# Altium PCB Napelem_inverter_old.PcbDoc
Units mil, origin at the board's own origin, x right, y up, seen from the top; angles counter-clockwise.
Board outline 6000 x 4000 mil, 2 copper layers (Top Layer, Bottom Layer); 290 components, 158 nets, 877 pads, 64 vias.
Unrouted connection lines stored in the file: 562.
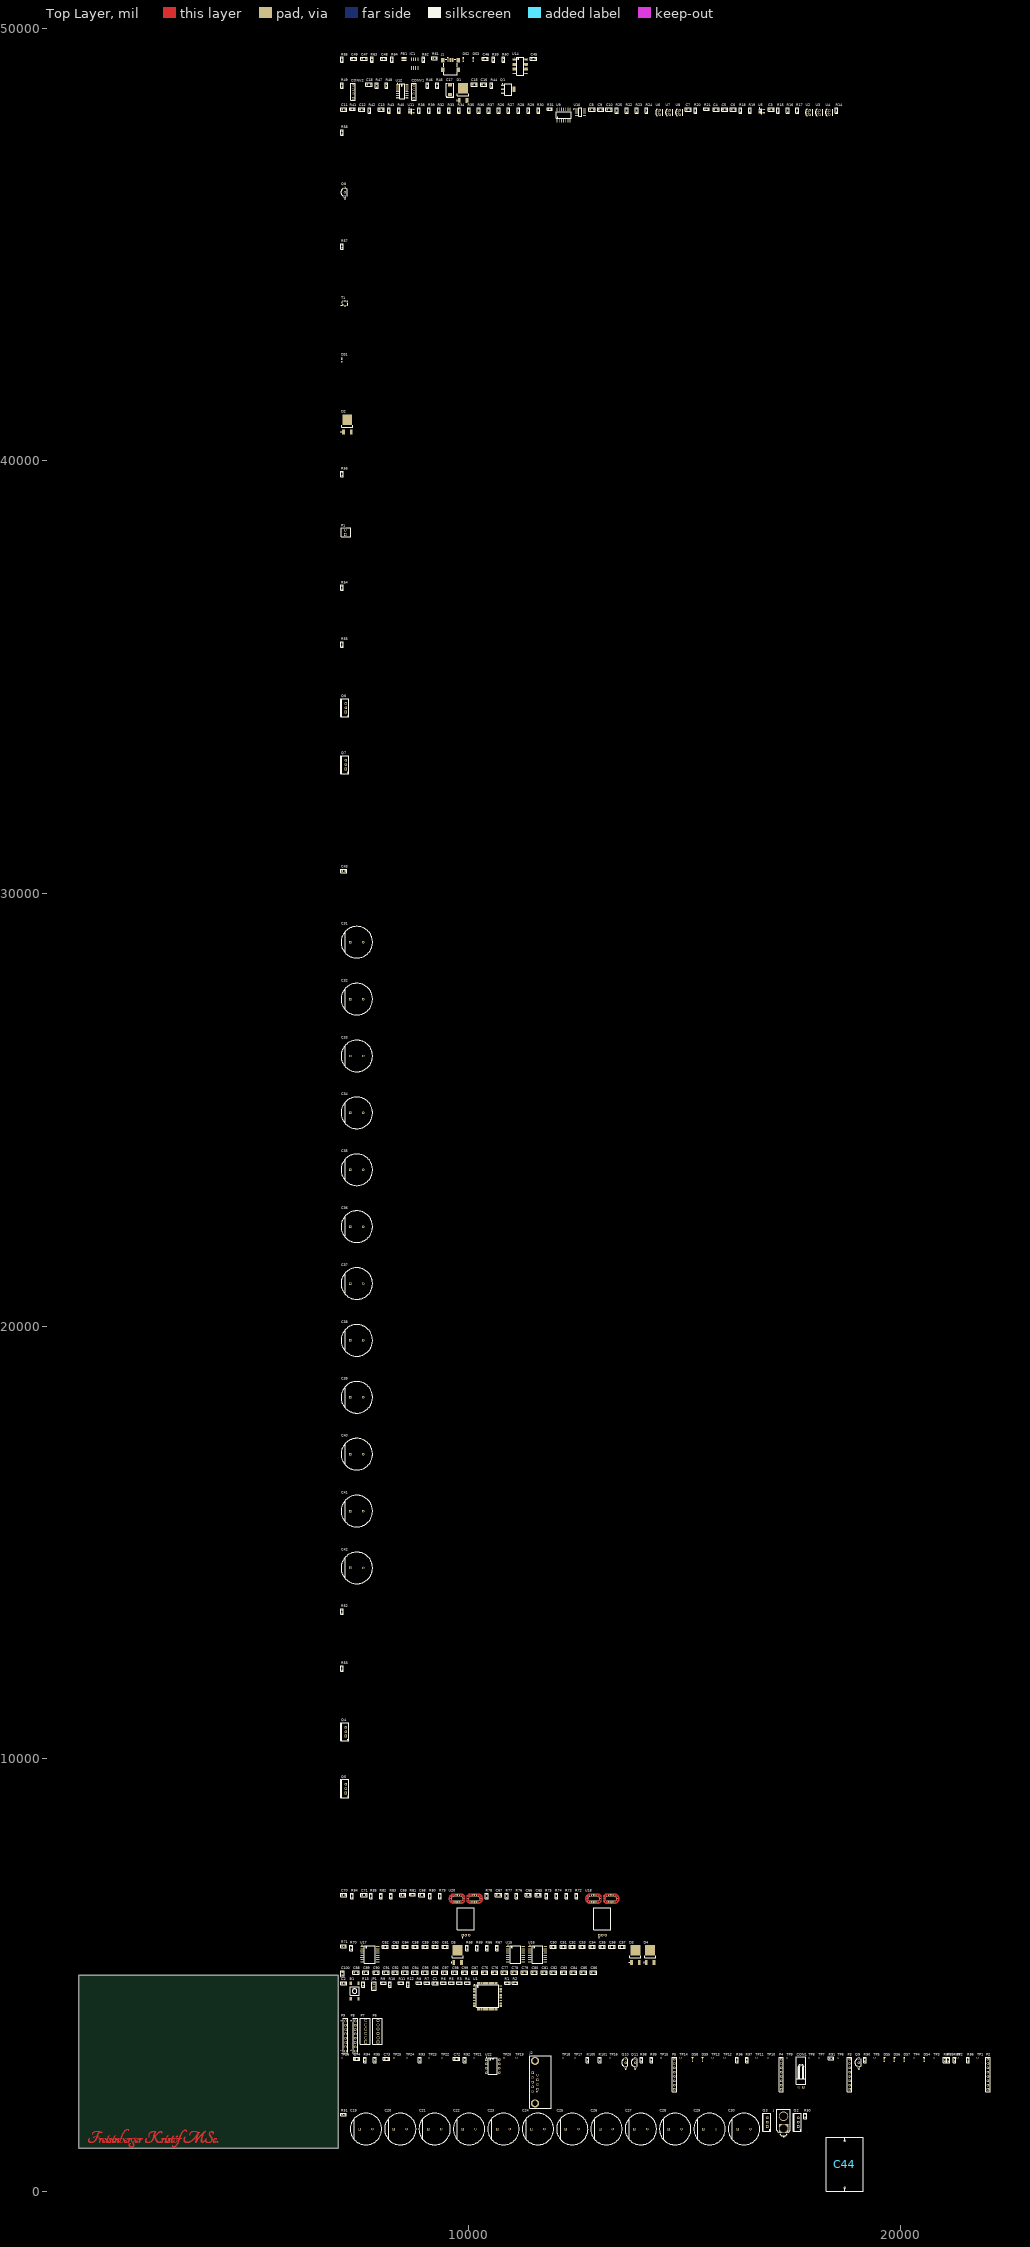
[diagram p0: Top Layer view]
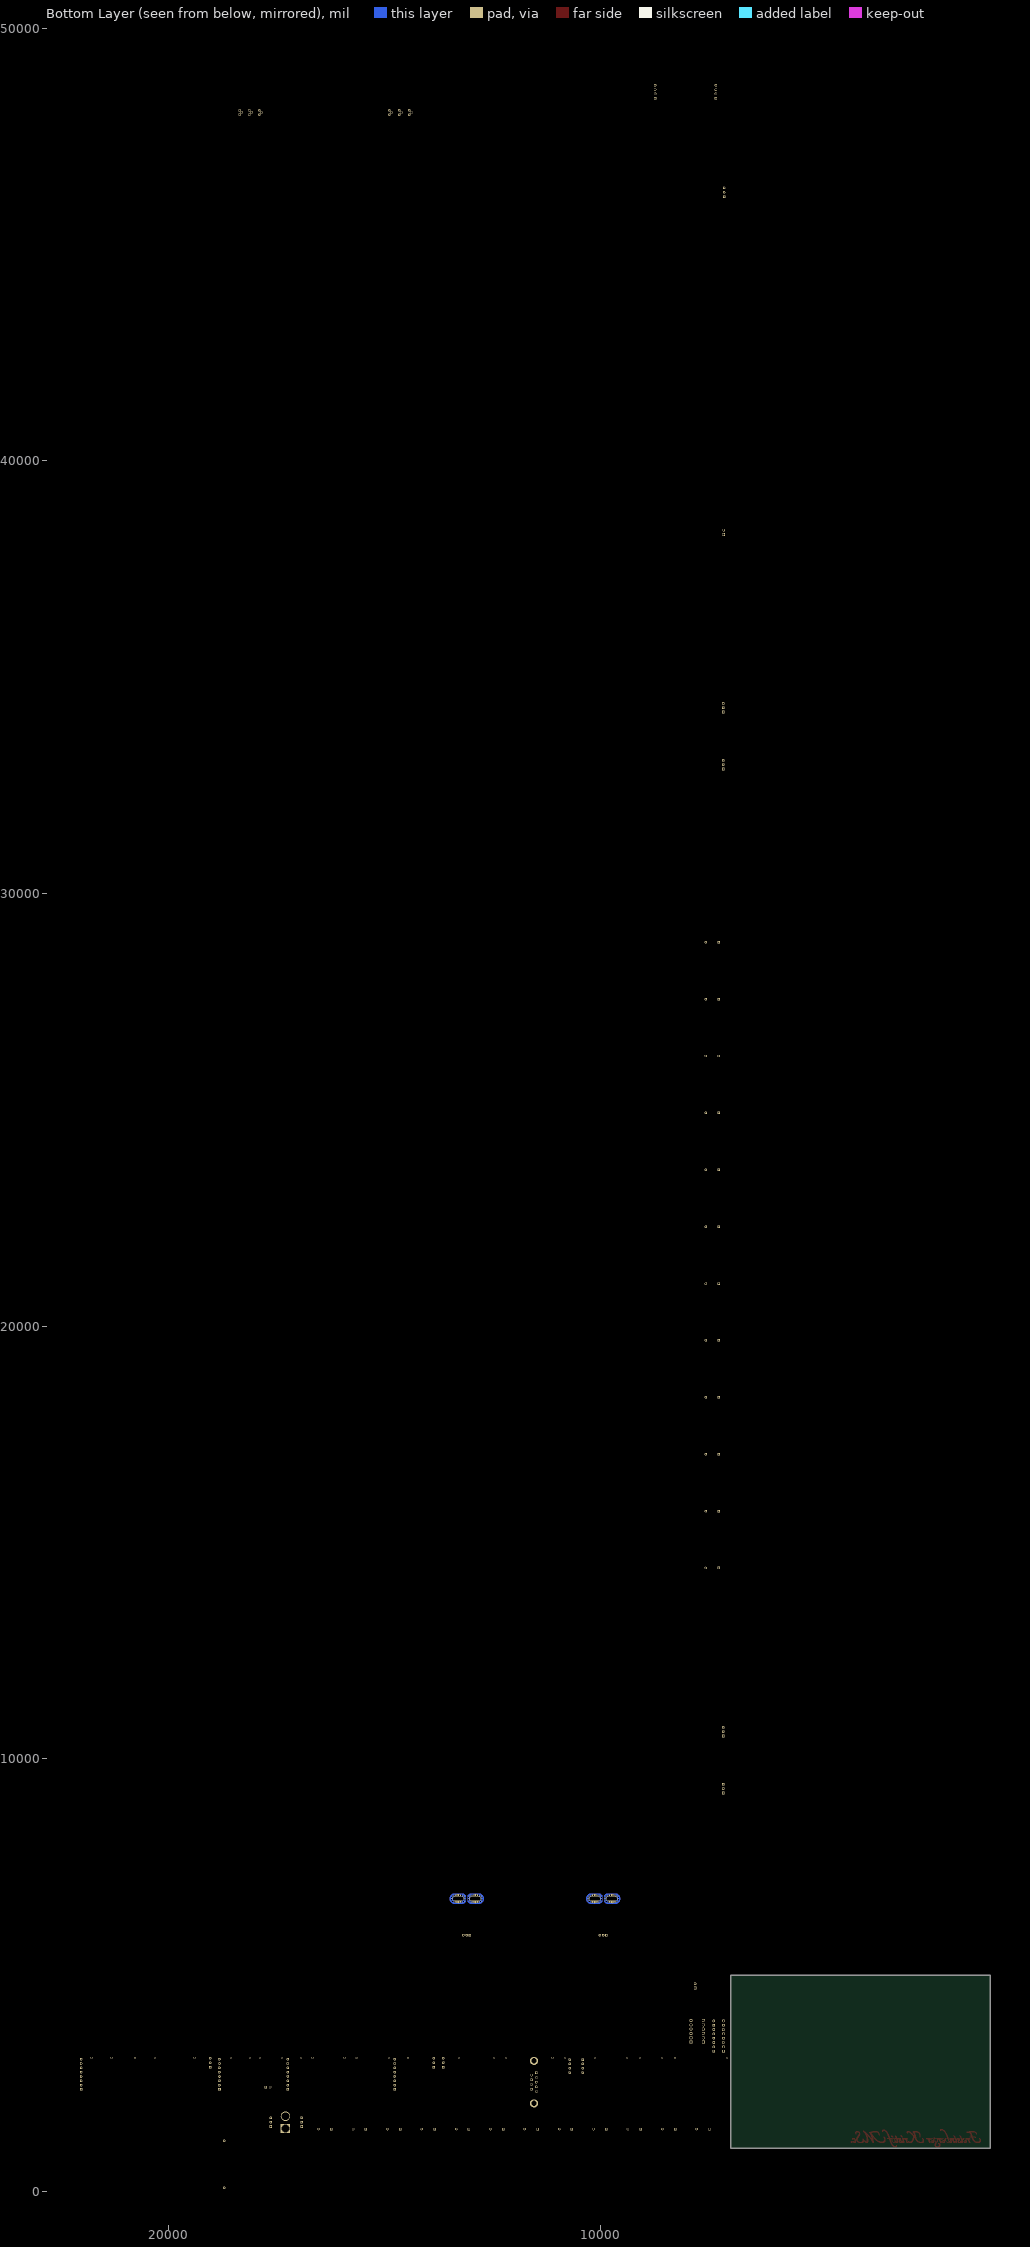
[diagram p1: Bottom Layer view, seen from below]

## Layer stack, top to bottom
Top Solder: solder mask 0.4, Solder Resist, Dk 3.5
Top Layer: signal copper 1.4
Dielectric 1: dielectric 12.6, FR-4, Dk 4.8
Bottom Layer: signal copper 1.4
Bottom Solder: solder mask 0.4, Solder Resist, Dk 3.5

## Board outline
1000,1000 7000,1000 7000,5000 1000,5000

## Design rules (kind name [scope] priority, off if disabled: settings)
Clearance [All] p1: gap=10 ignorepadtopadclearanceinfootprint=FALSE except(0: Arc-Hole Track-Hole SMDPad-Hole THPad-Hole Via-Hole Fill-Hole Poly-Hole Region-Hole Text-Hole)
PolygonConnect [All] p1: connectstyle=Relief reliefconductorwidth=10 reliefentries=4 polygonreliefangle="90 Angle" airgapwidth=10
RoutingVias [All] p1: holewidth=28 width=50 viastyle="Through Hole" minholewidth=28 minwidth=50 maxholewidth=28 maxwidth=50
SolderMaskExpansion [All] p1: expansion=4 istentingtop=FALSE
Width [All] p1: maxlimit=10 minlimit=10 preferedwidth=10
30 further rules are at their usual default settings.

## Components (designator, comment, footprint, x,y, rotation, side; value= is the part's Value field where it differs from the comment)
B1 "Button" FP_BTN_SMD 7375,4630 r0 top
C1 "100nF" FP_0805_CAP_085 9240,4810 r0 top
C2 "100nF" FP_0805_CAP_085 7125,4810 r0 top
C3 "2.2nF" FP_0805_CAP_085 17005,48125 r0 top
C4 "22uF" FP_0805_CAP_085 15730,48125 r0 top
C5 "22uF" FP_0805_CAP_085 15930,48125 r0 top
C6 "22uF" FP_0805_CAP_085 16130,48125 r0 top
C7 "2.2nF" FP_0805_CAP_085 15090,48125 r0 top
C8 "22uF" FP_0805_CAP_085 12860,48125 r0 top
C9 "22uF" FP_0805_CAP_085 13060,48125 r0 top
C10 "22uF" FP_0805_CAP_085 13255,48125 r0 top
C11 "2,2nF" FP_0805_CAP_085 7125,48125 r0 top
C12 "2,2nF" FP_0805_CAP_085 7540,48125 r0 top
C13 "2,2nF" FP_0805_CAP_085 7990,48125 r0 top
C15 "220nF" FP_0805_CAP_085 10140,48700 r0 top
C16 "220nF" FP_0805_CAP_085 10360,48700 r0 top
C17 "T491X107K020AT" KEMT-7343-43_L 9580,48580 r90 top
C18 "2.2nF" FP_0805_CAP_085 7705,48700 r0 top
C19 "330 uF" FP-LXW18X25-MFG 7635,1440 r0 top
C20 "330 uF" FP-LXW18X25-MFG 8430,1440 r0 top
C21 "330 uF" FP-LXW18X25-MFG 9225,1440 r0 top
C22 "330 uF" FP-LXW18X25-MFG 10020,1440 r0 top
C23 "330 uF" FP-LXW18X25-MFG 10815,1440 r0 top
C24 "330 uF" FP-LXW18X25-MFG 11610,1440 r0 top
C25 "330 uF" FP-LXW18X25-MFG 12405,1440 r0 top
C26 "330 uF" FP-LXW18X25-MFG 13195,1440 r0 top
C27 "330 uF" FP-LXW18X25-MFG 13990,1440 r0 top
C28 "330 uF" FP-LXW18X25-MFG 14785,1440 r0 top
C29 "330 uF" FP-LXW18X25-MFG 15580,1440 r0 top
C30 "330 uF" FP-LXW18X25-MFG 16375,1440 r0 top
C31 "330 uF" FP-LXW18X25-MFG 7425,28875 r0 top
C32 "330 uF" FP-LXW18X25-MFG 7425,27560 r0 top
C33 "330 uF" FP-LXW18X25-MFG 7425,26245 r0 top
C34 "330 uF" FP-LXW18X25-MFG 7425,24930 r0 top
C35 "330 uF" FP-LXW18X25-MFG 7425,23615 r0 top
C36 "330 uF" FP-LXW18X25-MFG 7425,22300 r0 top
C37 "330 uF" FP-LXW18X25-MFG 7425,20985 r0 top
C38 "330 uF" FP-LXW18X25-MFG 7425,19670 r0 top
C39 "330 uF" FP-LXW18X25-MFG 7425,18355 r0 top
C40 "330 uF" FP-LXW18X25-MFG 7425,17040 r0 top
C41 "330 uF" FP-LXW18X25-MFG 7425,15725 r0 top
C42 "330 uF" FP-LXW18X25-MFG 7425,14410 r0 top
C43 "220nF" FP_0805_CAP_085 7125,30520 r0 top
C44 "CAP_AC_68uF" Capacitor_AC_68_uF -101798.27,120585.77 r90 top
C45 "100nF" FP_0805_CAP_085 11510,49300 r0 top
C46 "100nF" FP_0805_CAP_085 10395,49300 r0 top
C47 "100nF" FP_0805_CAP_085 7590,49300 r0 top
C48 "100pF" FP_0805_CAP_085 8050,49300 r0 top
C49 "10nF" FP_0805_CAP_085 7355,49300 r0 top
C50 "100nF" FP_0805_CAP_085 11965,5655 r0 top
C51 "1uF" FP_0805_CAP_085 12195,5655 r0 top
C52 "100nF" FP_0805_CAP_085 12405,5655 r0 top
C53 "1uF" FP_0805_CAP_085 12635,5655 r0 top
C54 "100nF" FP_0805_CAP_085 12865,5655 r0 top
C55 "1uF" FP_0805_CAP_085 13095,5655 r0 top
C56 "100nF" FP_0805_CAP_085 13325,5655 r0 top
C57 "1uF" FP_0805_CAP_085 13555,5655 r0 top
C58 "100nF" FP_0805_CAP_085 8775,5655 r0 top
C59 "1uF" FP_0805_CAP_085 9005,5655 r0 top
C60 "100nF" FP_0805_CAP_085 9235,5655 r0 top
C61 "1uF" FP_0805_CAP_085 9465,5655 r0 top
C62 "100nF" FP_0805_CAP_085 8080,5655 r0 top
C63 "100nF" FP_0805_CAP_085 8315,5655 r0 top
C64 "100nF" FP_0805_CAP_085 8545,5655 r0 top
C65 "1nF" FP_0805_CAP_085 11620,6850 r0 top
C66 "100nF" FP_0805_CAP_085 11390,6850 r0 top
C67 "100nF" FP_0805_CAP_085 10700,6850 r0 top
C68 "100nF" FP_0805_CAP_085 8930,6850 r0 top
C69 "68nF" FP_0805_CAP_085 8490,6850 r0 top
C70 "100nF" FP_0805_CAP_085 7125,6850 r0 top
C71 "100nF" FP_0805_CAP_085 7590,6850 r0 top
C72 "100pF" FP_0805_CAP_085 9730,3065 r0 top
C73 "30pF" FP_0805_CAP_085 8110,3065 r0 top
C74 "100nF" FP_0805_CAP_085 7420,3065 r0 top
C75 "2.2uF" FP_0805_CAP_085 10380,5060 r0 top
C76 "100nF" FP_0805_CAP_085 10610,5060 r0 top
C77 "2.2uF" FP_0805_CAP_085 10840,5060 r0 top
C78 "100nF" FP_0805_CAP_085 11070,5060 r0 top
C79 "2.2uF" FP_0805_CAP_085 11300,5060 r0 top
C80 "100nF" FP_0805_CAP_085 11530,5060 r0 top
C81 "2.2uF" FP_0805_CAP_085 11760,5060 r0 top
C82 "100nF" FP_0805_CAP_085 11970,5060 r0 top
C83 "2.2uF" FP_0805_CAP_085 12205,5060 r0 top
C84 "100nF" FP_0805_CAP_085 12435,5060 r0 top
C85 "2.2uF" FP_0805_CAP_085 12665,5060 r0 top
C86 "100nF" FP_0805_CAP_085 12895,5060 r0 top
C87 "100nF" FP_0805_CAP_085 10150,5060 r0 top
C88 "1uF" FP_0805_CAP_085 7405,5060 r0 top
C89 "100nF" FP_0805_CAP_085 7635,5060 r0 top
C90 "1uF" FP_0805_CAP_085 7870,5060 r0 top
C91 "100nF" FP_0805_CAP_085 8100,5060 r0 top
C92 "1uF" FP_0805_CAP_085 8310,5060 r0 top
C93 "100nF" FP_0805_CAP_085 8540,5060 r0 top
C94 "1uF" FP_0805_CAP_085 8770,5060 r0 top
C95 "100nF" FP_0805_CAP_085 9000,5060 r0 top
C96 "1uF" FP_0805_CAP_085 9230,5060 r0 top
C97 "100nF" FP_0805_CAP_085 9460,5060 r0 top
C98 "1uF" FP_0805_CAP_085 9690,5060 r0 top
C99 "100nF" FP_0805_CAP_085 9920,5060 r0 top
C100 "100nF" FP_0805_CAP_085 7095,5030 r90 top
CON1 "Connector" FP_CONN2_TAP_254MM_90 17745,2410 r90 top
CONV1 "DCDC_converter_4pin" FP_CONN4_TUSKE_254MM 8745,48385 r0 top
CONV2 "DCDC_converter_4pin" FP_CONN4_TUSKE_254MM 7340,48385 r0 top
D1 "MBRD360T4G" ONSC-DPAK-3-369C-01_V 9880,48505 r90 top
D2 "MBRD360T4G" ONSC-DPAK-3-369C-01_V 7205,40845 r90 top
D3 "MBRD360T4G" ONSC-DPAK-3-369C-01_V 13865,5460 r90 top
D4 "MBRD360T4G" ONSC-DPAK-3-369C-01_V 14205,5460 r90 top
D5 "MBRD360T4G" ONSC-DPAK-3-369C-01_V 9755,5460 r90 top
DS1 "HSMG-C190" AVAG-HSMX-C190_V 7075,42325 r90 top
DS2 "HSMG-C190" AVAG-HSMX-C190_V 9885,49270 r90 top
DS3 "RED-HSMS-C190" AVAG-HSMX-C190_V 10115,49270 r90 top
DS4 "RED-HSMS-C190" AVAG-HSMX-C190_V 20540,3035 r90 top
DS5 "HSMG-C190" AVAG-HSMX-C190_V 19620,3035 r90 top
DS6 "HSMG-C190" AVAG-HSMX-C190_V 19850,3035 r90 top
DS7 "HSMG-C190" AVAG-HSMX-C190_V 20080,3035 r90 top
DS8 "RED-HSMS-C190" AVAG-HSMX-C190_V 15185,3035 r90 top
DS9 "RED-HSMS-C190" AVAG-HSMX-C190_V 15415,3035 r90 top
FB1 "BLM18SG221TN1D" FP-BLM18-0_15-t0_5-IPC_A 8515,49300 r0 top
IC1 "USB6B1" SO08 8760,49185 r0 top
J "XT60-M" AMASS_XT60-M 17290,1595 r90 top
J1 "USB_MIN" FCI-10033526-N3212LF_V 9590,49155 r0 top
J2 "618009231121" 618009231121 11672.13,2523.72 r90 top
JP1 "JUMPER" FP_CONN2_TUSKE_254MM 7820,4700 r0 top
P1 "Transformator Connector" FP_CONN2_TAP_254MM 7160,38300 r0 top
P2 "Header 8" HDR1X8 22015,2355 r90 top
P3 "Header 8" HDR1X8 18815,2355 r90 top
P4 "Header 8" HDR1X8 17235,2355 r90 top
P5 "Header 8" HDR1X8 14765,2355 r90 top
P6 "640456-6" TECO-640456-6_V 7915,3450 r90 top
P7 "640456-6" TECO-640456-6_V 7630,3450 r90 top
P8 "61300811121" 61300811121 7390,3590 r90 top
P9 "61300811121" 61300811121 7165,3590 r90 top
Q1 "BSP613P" INF-PG-SOT223_SC-73_M 10925,48590 r0 top
Q2 "PSMN8R5-100PS" TO-220AB 17630,1600 r90 top
Q3 "PSMN8R5-100PS" TO-220AB 16915,1600 r90 top
Q4 "MOSFET" TO-220AB 7170,10625 r90 top
Q5 "MOSFET" TO-220AB 7170,9310 r90 top
Q6 "MOSFET" TO-220AB 7170,34295 r90 top
Q7 "MOSFET" TO-220AB 7170,32980 r90 top
Q8 "BC548BRL1G" ONSC-TO-92-3-29-11_AM_BL 7150,46210 r90 top
Q9 "BC548B" ONSC-TO-92-3-29-11_AM_BL 19030,2975 r90 top
Q10 "BC548B" ONSC-TO-92-3-29-11_AM_BL 13640,2975 r90 top
Q11 "BC548B" ONSC-TO-92-3-29-11_AM_BL 13860,2975 r90 top
R1 "4.7K" FP_0603_RES 10905,4820 r0 top
R2 "4.7K" FP_0603_RES 11085,4820 r0 top
R3 "4.7K" FP_0603_RES 9800,4820 r0 top
R4 "4.7K" FP_0603_RES 9985,4820 r0 top
R5 "4.7K" FP_0603_RES 9615,4820 r0 top
R6 "4.7K" FP_0603_RES 9430,4820 r0 top
R7 "4.7K" FP_0603_RES 9050,4820 r0 top
R8 "1K" FP_0603_RES 8865,4820 r0 top
R9 "2.2K" FP_0603_RES 8040,4820 r0 top
R10 "4.7K" FP_0603_RES 8190,4785 r90 top
R11 "4.7K" FP_0603_RES 8445,4820 r0 top
R12 "4.7K" FP_0603_RES 8610,4785 r90 top
R13 "100" FP_0603_RES 7575,4785 r90 top
R14 "680" FP_0603_RES 18515,48100 r90 top
R15 "10K" FP_0603_RES 17165,48100 r90 top
R16 "10K" FP_0603_RES 17385,48100 r90 top
R17 "10K" FP_0603_RES 17605,48100 r90 top
R18 "10K" FP_0603_RES 16290,48100 r90 top
R19 "10K" FP_0603_RES 16510,48100 r90 top
R20 "10K" FP_0603_RES 15250,48100 r90 top
R21 "10K" FP_0603_RES 15510,48135 r0 top
R22 "10K" FP_0603_RES 13665,48100 r90 top
R23 "10K" FP_0603_RES 13895,48100 r90 top
R24 "10K" FP_0603_RES 14125,48100 r90 top
R25 "680" FP_0603_RES 13435,48100 r90 top
R26 "10K" FP_0603_RES 10705,48100 r90 top
R27 "10K" FP_0603_RES 10935,48100 r90 top
R28 "10K" FP_0603_RES 11165,48100 r90 top
R29 "10K" FP_0603_RES 11395,48100 r90 top
R30 "10K" FP_0603_RES 11625,48100 r90 top
R31 "10K" FP_0603_RES 11885,48135 r0 top
R32 "10K" FP_0603_RES 9325,48100 r90 top
R33 "10K" FP_0603_RES 9555,48100 r90 top
R34 "10K" FP_0603_RES 9785,48100 r90 top
R35 "10K" FP_0603_RES 10015,48100 r90 top
R36 "10K" FP_0603_RES 10245,48100 r90 top
R37 "10K" FP_0603_RES 10475,48100 r90 top
R38 "120K" FP_0603_RES 8865,48100 r90 top
R39 "220K" FP_0603_RES 9095,48100 r90 top
R40 "20K" FP_0603_RES 8400,48100 r90 top
R41 "10K" FP_0603_RES 7320,48135 r0 top
R42 "10K" FP_0603_RES 7720,48100 r90 top
R43 "10K" FP_0603_RES 8170,48100 r90 top
R44 "47m" FP_0603_RES 10540,48675 r90 top
R45 "400K" FP_0603_RES 9285,48675 r90 top
R46 "100K" FP_0603_RES 9055,48675 r90 top
R47 "20K" FP_0603_RES 7885,48675 r90 top
R48 "20K" FP_0603_RES 8115,48675 r90 top
R49 "680" FP_0603_RES 7085,48675 r90 top
R50 "3.3K" FP_0603_RES 17790,1745 r90 top
R51 "3.3K" FP_0603_RES 7120,1780 r0 top
R52 "3.3K" FP_0603_RES 7085,13400 r90 top
R53 "3.3K" FP_0603_RES 7085,12085 r90 top
R54 "3.3K" FP_0603_RES 7085,37070 r90 top
R55 "3.3K" FP_0603_RES 7085,35755 r90 top
R56 "1K" FP_0603_RES 7085,39700 r90 top
R57 "1K" FP_0603_RES 7085,44960 r90 top
R58 "1K" FP_0603_RES 7085,47590 r90 top
R59 "470" FP_0603_RES 10585,49275 r90 top
R60 "470" FP_0603_RES 10815,49275 r90 top
R61 "4.7K" FP_0603_RES 9225,49310 r0 top
R62 "330R" FP_0603_RES 8965,49275 r90 top
R63 "1K" FP_0603_RES 7775,49275 r90 top
R64 "10K" FP_0603_RES 8240,49275 r90 top
R65 "330R" FP_0603_RES 7085,49275 r90 top
R66 "1.8" FP_0603_RES 10435,5630 r90 top
R67 "1.8" FP_0603_RES 10665,5630 r90 top
R68 "1.8" FP_0603_RES 9975,5630 r90 top
R69 "1.8" FP_0603_RES 10205,5630 r90 top
R70 "1.8" FP_0603_RES 7295,5630 r90 top
R71 "1.8" FP_0603_RES 7120,5665 r0 top
R72 "3K" FP_0603_RES 12500,6825 r90 top
R73 "220" FP_0603_RES 12270,6825 r90 top
R74 "10K" FP_0603_RES 12040,6825 r90 top
R75 "20K" FP_0603_RES 11810,6825 r90 top
R76 "10K" FP_0603_RES 11120,6825 r90 top
R77 "400" FP_0603_RES 10890,6825 r90 top
R78 "3K" FP_0603_RES 10430,6825 r90 top
R79 "220" FP_0603_RES 9350,6825 r90 top
R80 "10K" FP_0603_RES 9120,6825 r90 top
R81 "20K" FP_0603_RES 8710,6860 r0 top
R82 "10K" FP_0603_RES 7985,6825 r90 top
R83 "22K" FP_0603_RES 8215,6825 r90 top
R84 "20K" FP_0603_RES 7315,6825 r90 top
R85 "10K" FP_0603_RES 7755,6825 r90 top
R86 "680R" FP_0603_RES 21555,3040 r90 top
R87 "680R" FP_0603_RES 21015,3040 r90 top
R88 "1K" FP_0603_RES 21245,3040 r90 top
R89 "2,2K" FP_0603_RES 21095,3040 r90 top
R90 "1K" FP_0603_RES 19170,3040 r90 top
R91 "1K" FP_0603_RES 18390,3075 r0 top
R92 "120" FP_0603_RES 9920,3040 r90 top
R93 "10K" FP_0603_RES 8880,3040 r90 top
R94 "10K" FP_0603_RES 7610,3040 r90 top
R95 "10K" FP_0603_RES 7840,3040 r90 top
R96 "680R" FP_0603_RES 16215,3040 r90 top
R97 "680R" FP_0603_RES 16445,3040 r90 top
R98 "1K" FP_0603_RES 14005,3040 r90 top
R99 "1K" FP_0603_RES 14235,3040 r90 top
R100 "1K" FP_0603_RES 12760,3040 r90 top
R101 "1K" FP_0603_RES 13040,3040 r90 top
T1 "Transformator" TDK-ALT3232_V 7155,43645 r0 top
TP1 "TestPoint" Test_Point 21775,3085 r90 top
TP2 "TestPoint" Test_Point 21310,3085 r90 top
TP3 "TestPoint" Test_Point 20770,3085 r90 top
TP4 "TestPoint" Test_Point 20310,3085 r90 top
TP5 "TestPoint" Test_Point 19390,3085 r90 top
TP6 "TestPoint" Test_Point 18555,3085 r90 top
TP7 "TestPoint" Test_Point 18115,3085 r90 top
TP8 "TestPoint" Test_Point 17885,3085 r90 top
TP9 "TestPoint" Test_Point 17375,3085 r90 top
TP10 "TestPoint" Test_Point 16925,3085 r90 top
TP11 "TestPoint" Test_Point 16665,3085 r90 top
TP12 "TestPoint" Test_Point 15925,3085 r90 top
TP13 "TestPoint" Test_Point 15645,3085 r90 top
TP14 "TestPoint" Test_Point 14905,3085 r90 top
TP15 "TestPoint" Test_Point 14455,3085 r90 top
TP16 "TestPoint" Test_Point 13285,3085 r90 top
TP17 "TestPoint" Test_Point 12465,3085 r90 top
TP18 "TestPoint" Test_Point 12185,3085 r90 top
TP19 "TestPoint" Test_Point 11115,3085 r90 top
TP20 "TestPoint" Test_Point 10825,3085 r90 top
TP21 "TestPoint" Test_Point 10140,3085 r90 top
TP22 "TestPoint" Test_Point 9390,3085 r90 top
TP23 "TestPoint" Test_Point 9100,3085 r90 top
TP24 "TestPoint" Test_Point 8580,3085 r90 top
TP25 "TestPoint" Test_Point 8285,3085 r90 top
TP26 "TestPoint" Test_Point 7075,3085 r90 top
U1 "TMS320F28069PZT" PZ0100A_N 10445,4510 r0 top
U2 "MCP9700-E/TO" FP-C04-101-MFG 17880,48055 r0 top
U3 "MCP9700-E/TO" FP-C04-101-MFG 18110,48055 r0 top
U4 "MCP9700-E/TO" FP-C04-101-MFG 18340,48055 r0 top
U5 "MCP6001RT-I/OT" SOT-23-OT5_M 16785,48085 r0 top
U6 "MCP9700-E/TO" FP-C04-101-MFG 14415,48055 r0 top
U7 "MCP9700-E/TO" FP-C04-101-MFG 14645,48055 r0 top
U8 "MCP9700-E/TO" FP-C04-101-MFG 14875,48055 r0 top
U9 "LM324M" FP_SOIC14 12055,47865 r0 top
U10 "LM358DR2G" FP-751-07-IPC_C 12595,48065 r0 top
U11 "MCP6001RT-I/OT" SOT-23-OT5_M 8685,48085 r0 top
U12 "TLE6389-2G V50" INF-PG-DSO-14-1_M 8475,48545 r0 top
U14 "FTDI" SSOP-28_N 11200,49125 r0 top
U15 "2EDS8265HXUMA2" EXAR-WSOIC-16_N 11095,5480 r0 top
U16 "2EDS8265HXUMA2" EXAR-WSOIC-16_N 11605,5480 r0 top
U17 "2EDS8265HXUMA2" EXAR-WSOIC-16_N 7725,5480 r0 top
U18 "ACS758LCB-200B-PFF-T" FP-CB-5-PFF-MFG 13100,6300 r0 top
U20 "ACS758LCB-50B-PFF-T" FP-CB-5-PFF-MFG 9945,6300 r0 top
U22 "MCP2551-I/P" PDIP300-P8 10570,2895 r0 top
